# KiCad board keyboard (1).kicad_pcb (continued)
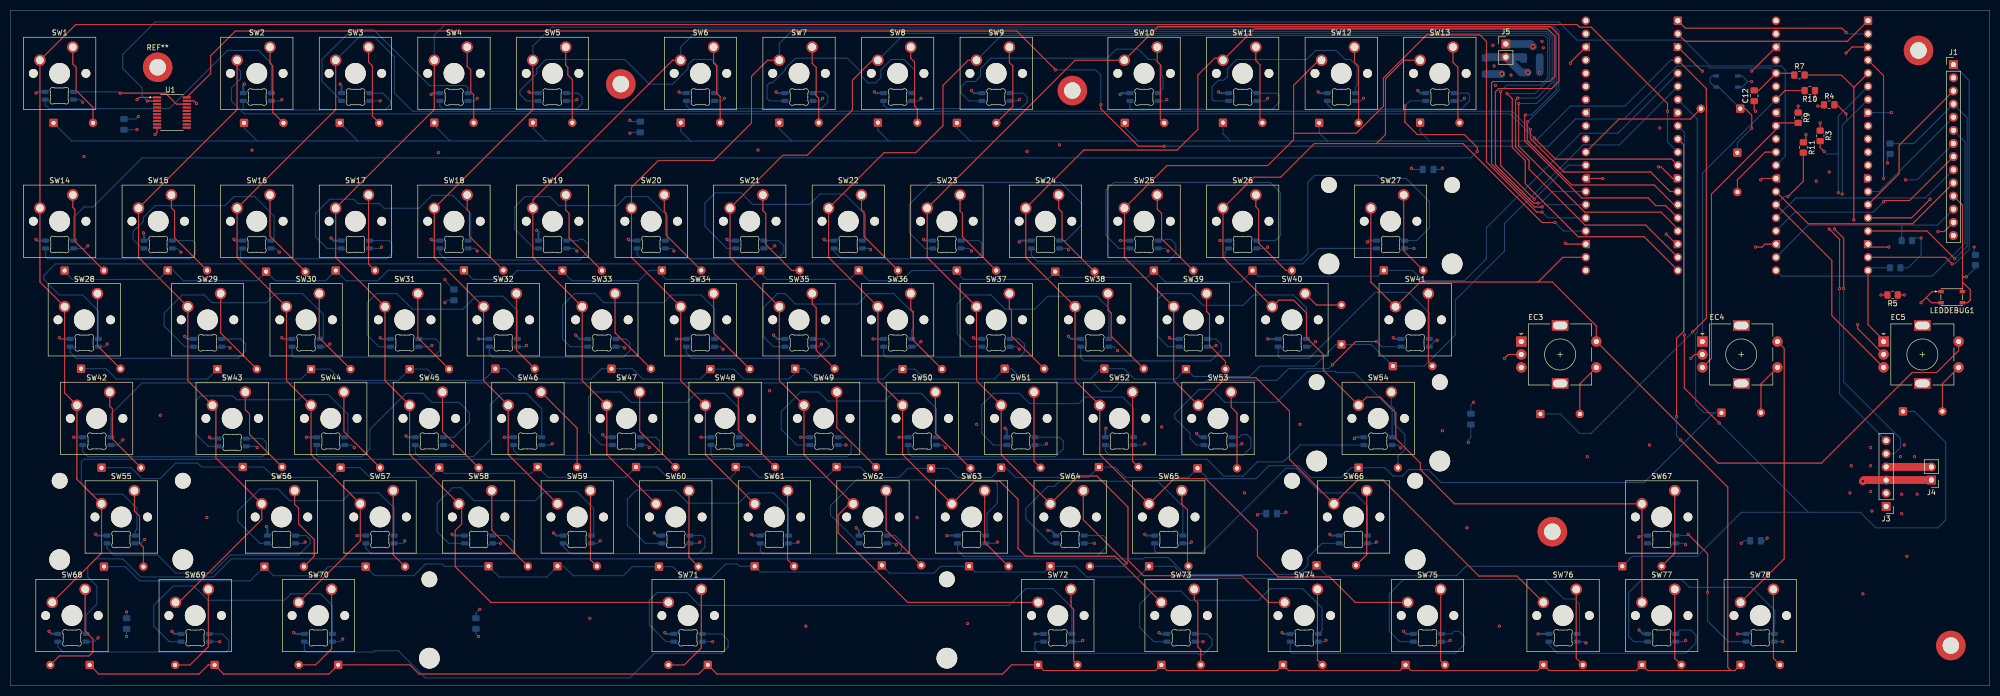
[diagram p0: board, top side]
## Routing (per net, layer and track width the routed paths; a pad name or vN(x,y) marks a point on that pad's centre or on a via; arc(x,y) is an arc through that point) (continued)
MISO: length 62.4
  Bottom w0.2: J1.6 377.71,105.06 377.71,85.5 371.35,79.14 342.28,79.14 A2.21
MOSI: length 38.1
  Bottom w0.2: A2.25 345.03,94.25 370.02,94.25 J1.9
ROW0: length 470.7
  Top w0.2: v1(325.09,68.38) 327.71,71 327.71,111 327.75,111.04 327.75,111.96 327.71,112 327.71,115.38 A1.4
  Bottom w0.2: 84.97,105.25 81.92,108.3 D4.1 ; 84.97,105.25 103.47,105.25 ; 84.97,105.25 67.16,105.25 ; D158.1 299.46,52.5 303.21,48.75 305.46,48.75 v1(325.09,68.38) ; D11.1 234.32,106.65 235.72,105.25 ; D6.1 129.54,107.17 131.47,105.25 ; A1.4 320.84,120.88 311.96,112 301.46,112 294.71,105.25 274.21,105.25 ; D9.1 182.91,107.81 185.47,105.25 ; D13.1 272.41,107.05 274.21,105.25 ; D10.1 215.34,107.87 217.97,105.25 ; 235.72,105.25 254.47,105.25 ; 235.72,105.25 217.97,105.25 ; 254.47,105.25 274.21,105.25 ; 254.47,105.25 252.91,106.81 D12.1 ; D3.1 67.16,105.25 ; 67.16,105.25 47.72,105.25 ; 103.47,105.25 100.97,107.75 D5.1 ; 103.47,105.25 131.47,105.25 ; 217.97,105.25 185.47,105.25 ; D2.1 45.16,107.81 47.72,105.25 ; 185.47,105.25 169.72,105.25 ; D8.1 167.64,107.33 169.72,105.25 ; 131.47,105.25 150.97,105.25 ; 150.97,105.25 169.72,105.25 ; 150.97,105.25 148.59,107.62 D7.1 ; 47.72,105.25 11.85,105.25 D1.1
ROW1: length 352.9
  Bottom w0.2: D14.1 10.48,79.99 11.96,78.5 28.65,78.5 D15.1 31.46,80.25 33.47,78.25 47.66,78.25 D16.1 49.47,80 51.22,78.25 60.9,78.25 D17.1 64.84,78.25 70.97,78.25 72.97,80.25 D18.1 89.41,78.5 96.22,78.5 97.94,80.22 D19.1 106.68,80.03 108.47,78.25 121.47,78.25 123.47,80.25 D20.1 125.91,79.31 126.72,78.5 143.16,78.5 D21.1 144.91,79.81 146.22,78.5 162.16,78.5 D22.1 165.91,78.25 172.22,78.25 174.19,80.22 D23.1 182.88,79.83 184.22,78.5 200.41,78.5 D24.1 203,78.9 219.66,78.9 D25.1 223.2,78 237.81,78 D26.1 241.13,79.12 264.27,79.12 D75.1 270.96,80.25 272.96,78.25 280.96,78.25 285.21,82.5 285.21,88.5 303.46,106.75 310.62,106.75 A1.5
ROW2: length 361.6
  Bottom w0.2: D27.1 18.46,61.25 20.46,59.25 38.09,59.25 D28.1 41.92,59.25 56.18,59.25 D29.1 61.8,61.17 63.97,59 74.98,59 D30.1 80.55,61.17 82.72,59 91.47,59 D31.1 95.72,61.25 97.72,59.25 112.22,59.25 114.22,61.25 D32.1 120.22,61.25 122.22,59.25 133.34,59.25 D33.1 139.8,61.17 141.72,59.25 150.47,59.25 151.66,60.44 D34.1 153.47,61.25 155.47,59.25 168.72,59.25 170.63,61.17 D35.1 174.8,61.17 176.72,59.25 190.16,59.25 D36.1 193.47,61.25 195.47,59.25 208.72,59.25 210.72,61.25 D37.1 215.22,61.25 217.22,59.25 225.25,59.25 D38.1 228.59,59.75 239.47,59.75 241.47,61.75 251.97,61.75 256.15,65.94 D39.1 262.96,65.94 D74.1 273.21,61.75 279.21,67.75 279.21,74.5 288.71,84 288.71,89.28 303.94,104.5 310.91,104.5 A1.6
ROW3: length 407.8
  Bottom w0.2: A1.7 325.96,109.51 325.96,68.25 325.66,67.95 325.66,54.3 327.21,52.75 329.21,52.75 ; D40.1 23.35,42.12 25.46,40 28.96,40 31.96,43 36.22,43 36.97,42.25 D41.1 48.97,42.25 50.97,40.25 61.95,40.25 D42.1 67.59,42.12 69.47,40.25 81,40.25 D43.1 83.97,41.02 100.67,41.02 D44.1 103.91,40.25 118.91,40.25 D45.1 124.97,42.25 127.22,40 138.97,40 140.16,41.19 D46.1 142.72,42.25 144.72,40.25 157.66,40.25 D47.1 164.22,42.25 166.22,40.25 171.72,40.25 173.47,42 D48.1 181.22,42 182.97,40.25 189.58,40.25 D49.1 192.34,42.12 194.22,40.25 208.34,40.25 D50.1 213.47,42.25 215.47,40.25 227.66,40.25 D51.1 231.41,40 240.72,40 243.22,42.5 248.97,42.5 251.22,40.25 257.21,40.25 259.08,42.12 D52.1 265.59,42.12 267.21,40.5 268.96,40.5 270.21,41.75 273.96,41.75 276.46,39.25 315.71,39.25 329.21,52.75 ; 329.21,52.75 D159.1
ROW4: length 492.3
  Top w0.2: v1(323.46,67.75) 323.46,57.5 v1(330.21,50.75)
  Bottom w0.2: 347.46,33.5 357.46,33.5 360.46,30.5 372.46,30.5 373.96,32 373.96,47 367.96,53 D160.1 ; 347.46,33.5 v1(330.21,50.75) ; 347.46,33.5 334.46,33.5 325.96,25 313.4,25 D65.1 281.28,23.07 279.46,21.25 254.41,21.25 D64.1 249.91,20.75 227.22,20.75 224.9,23.07 D63.1 217.96,21 207.97,21 205.9,23.07 D62.1 199.88,21.97 186.36,21.97 D61.1 179.78,23.07 178.47,21.75 169.91,21.75 D60.1 167.12,21.97 144.93,21.97 D59.1 140.9,23.07 140.47,23.5 138.22,23.5 135.47,20.75 130.22,20.75 127.97,23 D58.1 120.22,23 118.47,21.25 108.72,21.25 106.9,23.07 D57.1 103.72,21.06 103.72,21 94.46,21 D56.1 83.9,23.07 83.47,23.5 80.22,23.5 77.97,21.25 70.41,21.25 D55.1 61.47,23 59.72,21.25 50.84,21.25 D54.1 46.34,20.25 24.96,20.25 22.21,23 D53.1 ; A1.9 323.46,106.93 v1(323.46,67.75)
ROW5: length 438.4
  Top w0.2: D79.1 333.23,2.92 332.46,2.92 ; 332.46,2.92 331.86,3.53 331.86,38.36 v1(322.71,47.5) ; 332.46,2.92 316.38,2.92 D78.1 314.18,2.92 297.33,2.92 D77.1 295.11,2.9 270.69,2.9 D73.1 268.49,2.9 247.01,2.9 D72.1 244.83,2.92 223.51,2.92 D71.1 221.31,2.92 199.7,2.92 D70.1 193.49,4.02 191.72,2.25 136.55,2.25 D69.1 133.01,2.25 78.97,2.25 77.2,4.02 D68.1 61.57,2.25 41.22,2.25 D67.1 38.22,4 36.47,2.25 17.08,2.25 D66.1 ; A1.10 323.32,104.53 323.32,68.45 321.96,67.1 v1(321.96,52)
  Bottom w0.2: v1(322.71,47.5) 321.96,48.25 v1(321.96,52)
RUN: length 21.3
  Top w0.2: D157.1 335.21,111.5 336.49,110.22 v1(336.49,107.72)
  Bottom w0.2: D157.1 330.1,115.67 DEBUG1.2 329.34,115.67 328.46,116.55 328.46,117.5 328.79,117.83 DEBUG1.2 ; v1(336.49,107.72) 333.71,104.94 D161.1
SCL: length 82.9
  Top w0.2: v1(352.46,88.25) 354.27,86.45 v1(354.27,76.75) ; R4.2 352.96,112.25 v1(354.71,110.5)
  In2.Cu w0.2: v1(352.46,88.25) 353.97,89.76 v1(353.97,95)
  Bottom w0.2: v1(354.71,110.5) 354.83,110.38 354.83,109.13 ; A2.7 354.83,109.13 ; 354.83,109.13 353.97,108.27 v1(353.97,95) ; J3.5 364.02,44.81 365.21,46 365.21,47.75 354.27,58.7 v1(354.27,76.75)
SDA: length 81.4
  Top w0.2: v1(351.46,88.25) 353.46,86.25 v1(353.46,76.75) ; v1(350.46,103.25) 349.71,104 R3.2
  In2.Cu w0.2: v1(353.21,95.25) 353.21,90 v1(351.46,88.25)
  Bottom w0.2: 353.21,102.75 353.21,110.05 A2.6 ; 353.21,102.75 350.96,102.75 v1(350.46,103.25) ; 353.21,102.75 v1(353.21,95.25) ; J3.6 353.46,56.35 v1(353.46,76.75)
SLAVEPWR: length 464.9
  Top w0.2: v1(349.21,112) 350.21,112 R4.1 ; v1(345.46,112) R9.1 ; v1(365.96,75.5) R5.1 ; R7.1 344.38,118.34 A2.36 337.88,115.04 C12.2 ; v1(210.72,112.25) 210.72,111.5 217.96,104.25 v1(222.97,104.25) ; v1(201.97,119) 194.47,126.5 43.47,126.5 38.72,121.75 38.72,118.31 U1.20 ; v1(348.71,113.5) R10.1 ; v1(346.96,106.5) 346.96,105.5 R11.1 ; v1(349.71,108.75) R3.1
  In2.Cu w0.2: 369.96,87.25 v1(369.21,86.5) ; 369.96,87.25 368.46,85.75 368.46,76.25 367.71,75.5 v1(365.96,75.5) ; 369.96,87.25 371.71,89 373.46,89 ; 362.08,100.37 v1(362.71,101) ; 362.08,100.37 360.45,102 357.52,102 349.37,110.16 ; 362.08,100.37 364.71,97.75 ; 373.46,89 J1.14 377.7,84.75 v1(379.46,84.75) ; 373.46,89 364.71,97.75 ; 364.71,97.75 366.21,97.75 v1(366.21,97.75) ; 349.37,110.16 348.37,111.16 ; 349.37,110.16 349.71,109.81 v1(349.71,108.75) ; v1(345.46,112) 345.46,114.06 345.37,114.16 ; A2.36 345.37,114.16 ; 345.37,114.16 347.37,112.16 ; 347.37,112.16 v1(348.71,113.5) ; 347.37,112.16 347.87,111.66 ; 347.87,111.66 348.37,111.16 ; 347.87,111.66 347.87,107.41 v1(346.96,106.5) ; 348.37,111.16 v1(349.21,112)
  Bottom w0.2: R6.1 362.71,102.25 v1(362.71,101) ; R12.1 366.71,80.75 369.21,83.25 v1(369.21,86.5) 367.96,86.5 R2.2 ; v1(379.46,84.75) 379.46,83.5 R1.1 ; v1(366.21,97.75) 368.44,97.75 J1.7 ; v1(210.72,112.25) 210.72,118 209.72,119 v1(201.97,119) ; v1(222.97,104.25) 297.21,104.25 302.46,109.5 311.82,109.5 322.07,119.75 327.9,119.75 328.3,119.35 340.17,119.35 A2.36
T_CLK: length 22.5
  Bottom w0.2: J1.5 361.09,95.48 A2.14
T_CS: length 66.4
  Top w0.2: A2.17 370.35,87.86 v1(375.71,82.5)
  Bottom w0.2: R6.2 367.82,104.75 J1.4 378.11,109.74 378.11,84.9 v1(375.71,82.5)
T_INT: length 58.2
  Top w0.2: v1(375.21,81.5) 373.94,82.78 A2.19
  Bottom w0.2: J1.1 378.51,116.96 378.51,84.3 375.71,81.5 v1(375.21,81.5)
T_MISO: length 38.8
  Top w0.2: A2.16 367.36,90.4 v1(370.96,94)
  In2.Cu w0.2: J1.2 370.96,112.97 v1(370.96,94)
T_MOSI: length 28.8
  Top w0.2: A2.15 364.96,98.94 364.96,104.43 J1.3
UART0_RX: length 39
  Top w0.2: A1.2 323.65,124.53 354.99,124.53 A2.1
UART0_TX: length 37.8
  Top w0.2: A1.1 323.65,127.06 353.9,127.06 v1(354.71,126.25)
  Bottom w0.2: v1(354.71,126.25) 355,125.96 A2.2
V+: length 8.8
  Top w0.2: 371.21,42.27 J4.2
  Top w1.5: J3.4 371.21,42.27
Net-(A1-RUN): length 25.7
  Top w0.2: D157.2 324.71,109.56 324.71,109.5 310.83,109.5 A1.30
Net-(A2-RUN): length 12.1
  Top w0.2: D161.2 333.71,97.75 339.06,103.1 A2.30
Net-(D1-A): length 16.3
  Top w0.2: D1.2 15.96,111.75 12.71,115 12.71,119.5 12.07,120.15 SW1.1
Net-(D2-A): length 15.7
  Top w0.2: SW2.1 50.17,120.3 50.72,119.75 50.72,110.81 D2.2
Net-(D3-A): length 15.5
  Top w0.2: D3.2 69.97,110.06 69.97,119.75 69.22,120.5 SW3.1
Net-(D4-A): length 15.1
  Top w0.2: SW4.1 88.27,119.7 88.97,119 88.97,114.75 89.53,114.18 D4.2
Net-(D5-A): length 15.1
  Top w0.2: D5.2 108.59,117.13 107.72,118 107.72,119.5 107.31,119.9 SW5.1
Net-(D6-A): length 15.1
  Top w0.2: D6.2 137.16,113.81 136.47,114.5 136.47,119.75 135.89,120.33 SW6.1
Net-(D7-A): length 15.1
  Top w0.2: SW7.1 154.94,120.28 155.72,119.5 155.72,114 156.21,113.5 D7.2
Net-(D8-A): length 15.1
  Top w0.2: D8.2 175.26,111.45 174.72,112 174.72,120.5 173.99,121.22 SW8.1
Net-(D9-A): length 16.3
  Top w0.2: SW9.1 193.04,120.42 193.72,119.75 193.72,111.94 D9.2
Net-(D10-A): length 15.2
  Top w0.2: D10.2 222.22,109.5 222.22,120 221.62,120.6 SW10.1
Net-(D11-A): length 15.1
  Top w0.2: SW11.1 240.66,120.8 241.47,120 241.47,109.27 D11.2
Net-(D12-A): length 15
  Top w0.2: SW12.1 259.71,120.5 260.52,119.69 D12.2
Net-(D13-A): length 15.1
  Top w0.2: SW13.1 278.76,120.45 279.71,119.5 279.71,109.12 D13.2
Net-(D14-A): length 17.1
  Top w0.2: SW14.1 12.07,92.4 12.46,92 12.46,85.85 D14.2
Net-(D15-A): length 17.4
  Top w0.2: SW15.1 31.11,92.35 31.71,91.75 31.71,86.56 D15.2
Net-(D16-A): length 17.7
  Top w0.2: SW16.1 50.17,86.86 D16.2
Net-(D17-A): length 15.1
  Top w0.2: D17.2 69.22,81.49 SW17.1
Net-(D18-A): length 17.5
  Top w0.2: D18.2 88.72,86.81 88.72,91.5 88.27,91.95 SW18.1
Net-(D19-A): length 17.5
  Top w0.2: SW19.1 107.31,91.9 107.97,91.25 107.97,86.56 D19.2
Net-(D20-A): length 17.5
  Top w0.2: SW20.1 126.37,91.6 126.72,91.25 126.72,87.06 D20.2
Net-(D21-A): length 18.4
  Top w0.2: D21.2 150.97,80.25 145.97,85.25 145.97,91.25 145.41,91.8 SW21.1
Net-(D22-A): length 17.5
  Top w0.2: SW22.1 164.47,92 164.97,91.5 164.97,86.81 D22.2
Net-(D23-A): length 17.5
  Top w0.2: SW23.1 183.52,91.7 183.97,91.25 183.97,86.75 D23.2
Net-(D24-A): length 17.7
  Top w0.2: D24.2 203.22,86.31 203.22,91.5 202.56,92.15 SW24.1
Net-(D25-A): length 17.5
  Top w0.2: D25.2 222.47,86.36 222.47,91.25 221.62,92.1 SW25.1
Net-(D26-A): length 18.2
  Top w0.2: SW26.1 240.66,92.55 241.22,92 241.22,85.5 246.49,80.22 D26.2
Net-(D27-A): length 16.4
  Top w0.2: D27.2 16.83,65.7 SW28.1
Net-(D28-A): length 17.5
  Top w0.2: D28.2 40.64,68.16 SW29.1
Net-(D29-A): length 17.1
  Top w0.2: SW30.1 59.69,67.2 D29.2
Net-(D30-A): length 17.1
  Top w0.2: D30.2 78.74,67.2 SW31.1
Net-(D31-A): length 16
  Top w0.2: SW32.1 97.79,64.8 D31.2
Net-(D32-A): length 17.4
  Top w0.2: SW33.1 116.84,68.19 D32.2
Net-(D33-A): length 17.5
  Top w0.2: D33.2 135.89,68.16 SW34.1
Net-(D34-A): length 16.3
  Top w0.2: D34.2 155.72,64.81 155.72,73 154.94,73.78 SW35.1
Net-(D35-A): length 17.1
  Top w0.2: D35.2 174.47,66.73 174.47,72.25 173.99,72.72 SW36.1
Net-(D36-A): length 17.3
  Top w0.2: D36.2 193.47,67.56 193.47,72.5 193.04,72.92 SW37.1
Net-(D37-A): length 17.4
  Top w0.2: SW38.1 212.09,72.62 212.72,72 212.72,67.56 D37.2
Net-(D38-A): length 16.1
  Top w0.2: SW39.1 231.14,72.33 231.72,71.75 231.72,65.75 234.79,62.67 D38.2
Net-(D39-A): length 7.9
  Top w0.2: SW40.1 252.41,73.56 D39.2
Net-(D40-A): length 17.1
  Top w0.2: SW42.1 19.21,54.01 19.71,53.5 19.71,47.65 D40.2
Net-(D41-A): length 17.4
  Top w0.2: SW43.1 45.4,53.31 46.22,52.5 46.22,48.56 D41.2
Net-(D42-A): length 17.5
  Top w0.2: D42.2 64.45,49.11 SW44.1
Net-(D43-A): length 17.5
  Top w0.2: SW45.1 83.5,49.11 D43.2
Net-(D44-A): length 17.4
  Top w0.2: D44.2 109.53,49.75 SW46.1
Net-(D45-A): length 17.3
  Top w0.2: D45.2 121.6,49.17 SW47.1
Net-(D46-A): length 17.4
  Top w0.2: SW48.1 140.65,49.37 D46.2
Net-(D47-A): length 17.6
  Top w0.2: D47.2 159.7,49.82 SW49.1
Net-(D48-A): length 17.5
  Top w0.2: D48.2 178.75,48.77 SW50.1
Net-(D49-A): length 15.1
  Top w0.2: SW51.1 197.8,43.39 D49.2
Net-(D50-A): length 14.9
  Top w0.2: SW52.1 216.85,43.36 D50.2
Net-(D51-A): length 15.2
  Top w0.2: D51.2 237.03,52.69 235.9,53.81 SW53.1
Net-(D52-A): length 16.2
  Bottom w0.2: D52.2 268.13,44.34 269.46,45.67 269.46,48.5 267.46,50.5 267.46,53.5 266.86,54.11 SW54.1
Net-(D53-A): length 15.4
  Top w0.2: D53.2 25.71,26.75 24.96,27.5 24.96,32.75 23.96,33.75 23.96,34.74 23.97,34.74 SW55.1
Net-(D54-A): length 17.1
  Top w0.2: D54.2 58.72,25 58.72,28.25 55.72,31.25 55.72,34.25 54.93,35.04 SW56.1
Net-(D55-A): length 15.6
  Top w0.2: D55.2 73.98,25.3 SW57.1
Net-(D56-A): length 17.5
  Top w0.2: D56.2 93.03,30.06 SW58.1
Net-(D57-A): length 15.1
  Top w0.2: SW59.1 112.08,24.34 D57.2
Net-(D58-A): length 15.4
  Top w0.2: SW60.1 131.13,24.84 D58.2
Net-(D59-A): length 15.1
  Top w0.2: SW61.1 150.18,24.34 D59.2
Net-(D60-A): length 17.2
  Top w0.2: D60.2 169.23,30.05 SW62.1
Net-(D61-A): length 17
  Top w0.2: D61.2 188.28,27.67 SW63.1
  Bottom w0.2: 193.22,23.4 D61.2
Net-(D62-A): length 24.8
  Top w0.2: v1(215.67,23.7) 207.33,32.04 SW64.1
  Bottom w0.2: D62.2 215.03,23.07 v1(215.67,23.7)
Net-(D63-A): length 15.1
  Top w0.2: D63.2 227.47,23.25 227.47,34 226.38,35.09 SW65.1
Net-(D64-A): length 15.3
  Top w0.2: D64.2 262.1,25.32 SW66.1
Net-(D65-A): length 15.7
  Top w0.2: D65.2 321.63,25.61 SW67.1
Net-(D66-A): length 22
  Top w0.2: D66.2 9.46,5.75 15.21,5.75 15.96,6.5 15.96,9 14.45,10.52 SW68.1
Net-(D67-A): length 19
  Top w0.2: SW69.1 38.26,7.54 34.72,4 D67.2
Net-(D68-A): length 19.1
  Top w0.2: SW70.1 62.07,7.11 58.98,4.02 D68.2
Net-(D69-A): length 19.2
  Top w0.2: 126.97,4 130.22,4 133.51,7.29 SW71.1
Net-(D70-A): length 15.1
  Top w0.2: D70.2 205.47,4.77 205.47,14.75 204.97,15.25 204.97,16.25 204.95,16.27 SW72.1
Net-(D71-A): length 15.1
  Top w0.2: D71.2 230.03,6.94 229.47,7.5 229.47,16 228.76,16.71 SW73.1
Net-(D72-A): length 15
  Top w0.2: D72.2 252.57,4.95 SW74.1
Net-(D73-A): length 15
  Top w0.2: SW75.1 276.38,4.83 D73.2
Net-(D74-A): length 14.3
  Top w0.2: SW41.1 274,62.52 D74.2
Net-(D75-A): length 16.1
  Top w0.2: D75.2 269.24,84.03 SW27.1
Net-(D76-DOUT): length 56.5
  Bottom w0.2: D76.4 6.71,113.22 6.71,112.25 7.46,111.5 30.71,111.5 41.97,122.75 47.97,122.75 50.44,120.28 D80.2
Net-(D77-A): length 15.1
  Top w0.2: SW76.1 302.58,5.29 D77.2
Net-(D78-A): length 15.1
  Top w0.2: SW77.1 321.63,5.29 D78.2
Net-(D79-A): length 15.1
  Top w0.2: D79.2 340.68,5.29 SW78.1
Net-(D80-DOUT): length 35.9
  Bottom w0.2: D80.4 44.99,111.47 45.22,111.25 72.47,111.25 73.47,112.25 73.47,113 71.97,114.5 D81.2
Net-(D81-DOUT): length 45.8
  Bottom w0.2: D82.2 88.44,115.53 88,115.97 81,115.97 70.22,126.75 65.97,126.75 60.22,121 60.22,116.78 D81.4
Net-(D82-DOUT): length 33.7
  Bottom w0.2: D82.4 82.99,111.97 83.47,111.5 109.47,111.5 110.47,112.5 110.47,113.75 109.72,114.5 D83.2
Net-(D83-DOUT): length 56.5
  Bottom w0.2: D84.2 136.72,115.14 136.72,119.75 135.47,121 131.97,121 130.97,120 130.97,119.25 127.97,116.25 123.47,116.25 118.72,121 103.47,121 101.72,119.25 101.72,118.25 98.47,115 98.47,114.25 99.72,113 D83.4
Net-(D84-DOUT): length 33.5
  Bottom w0.2: D85.2 155.38,114.75 157.22,114.75 157.97,114 157.97,112.75 156.72,111.5 131.22,111.5 130.62,112.09 D84.4
Net-(D85-DOUT): length 47.7
  Bottom w0.2: D85.4 146.72,113 146.22,113.5 146.22,116 146.72,116.5 147.26,116.5 149.72,118.96 149.72,119.25 151.72,121.25 161.74,121.25 164.47,118.53 164.47,117.75 165.72,116.5 167.22,116.5 168.22,117.5 168.22,119 170.22,121 172.72,121 174.72,119 174.72,115.03 D86.2
Net-(D86-DOUT): length 33.9
  Bottom w0.2: D86.4 168.74,112.22 169.47,111.5 195.22,111.5 196.47,112.75 196.47,113.75 195.72,114.5 D87.2
Net-(D87-DOUT): length 55.6
  Bottom w0.2: D88.2 222.72,115.41 222.72,117.75 222.47,118 222.47,119.75 221.22,121 219.97,121 217.97,123 213.72,123 211.97,121.25 189.47,121.25 187.47,119.25 187.47,117.75 186.47,116.75 184.72,116.75 183.72,115.75 183.72,114.5 185.22,113 D87.4
Net-(D88-DOUT): length 36.7
  Bottom w0.2: 240.85,114.5 244.72,114.5 245.22,114 245.22,112.75 243.86,111.4 216.56,111.4 216.35,111.62 216.35,113
Net-(D89-DOUT): length 44.2
  Bottom w0.2: D90.2 259.94,115.72 260.21,116 260.21,119.75 258.96,121 257.96,121 256.21,122.75 252.22,122.75 250.47,121 236.97,121 235.22,119.25 235.22,117.75 234.47,117 233.47,117 232.22,115.75 232.22,113.25 232.47,113 D89.4
Net-(D90-DOUT): length 33.5
  Bottom w0.2: D91.2 281.71,114.5 281.96,114.25 281.96,113 280.36,111.4 255.47,111.4 254.49,112.38 D90.4
Net-(D92-DOUT): length 37.7
  Bottom w0.2: D93.2 35.22,86 35.72,85.5 35.72,83.5 34.72,82.5 7.21,82.5 6.8,82.92 D92.4
Net-(D93-DOUT): length 41.4
  Bottom w0.2: D94.2 50.97,86.61 50.97,90.75 47.22,94.5 43.22,94.5 41.47,92.75 27.96,92.75 25.71,90.5 25.71,89.75 23.71,87.75 23.71,86.25 25.46,84.5 D93.4
Net-(D94-DOUT): length 38.4
  Bottom w0.2: D94.4 44.47,84.06 44.47,82.5 72.72,82.5 73.72,83.5 73.72,85.5 73.22,86 69.4,86
Net-(D95-DOUT): length 50.2
  Bottom w0.2: D96.2 88.97,86.52 88.97,91.25 85.47,94.75 81.47,94.75 78.97,92.25 72.22,92.25 71.31,93.15 67.22,93.15 66.37,94 61.72,94 58.97,91.25 58.97,86.75 61.22,84.5 D95.4
Net-(D96-DOUT): length 37
  Bottom w0.2: D96.4 83,83.47 84.22,82.25 109.97,82.25 111.72,84 111.72,85.25 110.72,86.25 109.97,86.25 109.72,86 D97.2
Net-(D97-DOUT): length 48.6
  Bottom w0.2: D97.4 101.22,84.5 97.47,88.25 97.47,92.5 99.47,94.5 104.22,94.5 105.97,92.75 117.22,92.75 118.97,94.5 123.22,94.5 126.97,90.75 126.97,86.42 D98.2
Net-(D98-DOUT): length 35.9
  Bottom w0.2: D99.2 148.47,86 149.47,85 149.47,83.75 148.22,82.5 121.97,82.5 121.1,83.36 D98.4
Net-(D100-DIN): length 52.7
  Bottom w0.2: D100.2 165.22,86.56 165.22,91 161.22,95 156.47,95 154.47,93 143.47,93 141.22,95.25 136.22,95.25 134.22,93.25 134.22,88.75 138.47,84.5 D99.4
Net-(D100-DOUT): length 36.3
  Bottom w0.2: D101.2 187.22,86 187.72,85.5 187.72,83.5 186.72,82.5 160.63,82.5 159.2,83.93 D100.4
Net-(D101-DOUT): length 57.6
  Bottom w0.2: D102.2 203.97,86 206.97,89 206.97,93.25 202.97,97.25 177.97,97.25 173.72,93 173.72,87.5 176.72,84.5 D101.4
Net-(D102-DOUT): length 36
  Bottom w0.2: D103.2 222.97,86 223.22,86.25 224.22,86.25 225.22,85.25 225.22,83.5 223.72,82 198.47,82 197.3,83.17 D102.4
Net-(D103-DOUT): length 62.9
  Bottom w0.2: 240.85,86 244.47,86 245.47,87 245.47,95.25 243.47,97.25 213.22,97.25 211.72,95.75 211.72,87 214.22,84.5 216.35,84.5
Net-(D104-DOUT): length 69.7
  Bottom w0.2: D105.2 271.71,86 274.21,88.5 274.21,93.5 269.71,98 264.71,98 264.09,98.62 252.09,98.62 250.72,97.25 250.72,83.5 249.47,82.25 234.97,82.25 234.72,82.5 234.72,83.81 D104.4
Net-(D106-DOUT): length 42.4
  Bottom w0.2: D106.4 11.56,64.4 12.71,63.25 43.97,63.25 45.47,64.75 45.47,66 44.47,67 D107.2
Net-(D107-DOUT): length 50
  Bottom w0.2: D108.2 60.47,67.59 60.47,71.75 56.47,75.75 51.22,75.75 49.47,74 38.97,74 37.47,75.5 33.22,75.5 29.71,72 29.71,69.5 33.72,65.5 D107.4
Net-(D108-DOUT): length 36.7
  Bottom w0.2: D108.4 54.42,63.79 54.72,63.5 81.72,63.5 82.97,64.75 82.97,66.25 82.22,67 D109.2
Net-(D109-DOUT): length 50.3
  Bottom w0.2: D109.4 71.22,65.5 68.97,67.75 68.97,74 70.72,75.75 74.72,75.75 77.72,72.75 87.47,72.75 89.97,75.25 95.22,75.25 97.98,72.49 D110.2
Net-(D110-DOUT): length 33.8
  Bottom w0.2: D111.2 118.97,67 119.72,66.25 119.72,64.75 118.47,63.5 93.22,63.5 92.53,64.19 D110.4
Net-(D111-DOUT): length 50.6
  Bottom w0.2: D112.2 136.08,72.89 133.47,75.5 127.72,75.5 126.22,74 114.72,74 112.97,75.75 108.97,75.75 106.72,73.5 106.72,67 108.22,65.5 D111.4
Net-(D112-DOUT): length 34.1
  Bottom w0.2: D113.2 157.22,67 158.22,66 158.22,65.5 155.97,63.25 131.72,63.25 130.62,64.34 D112.4
Net-(D113-DOUT): length 49
  Bottom w0.2: D114.2 174.19,68.72 174.47,69 174.47,72 170.72,75.75 165.72,75.75 163.72,73.75 151.72,73.75 149.72,75.75 148.22,75.75 145.47,73 145.47,67.5 147.47,65.5 D113.4
Net-(D114-DOUT): length 34.1
  Bottom w0.2: D115.2 194.97,67 195.97,66 195.97,64.5 194.97,63.5 169.22,63.5 168.74,63.97 D114.4
Net-(D115-DOUT): length 50.7
  Bottom w0.2: D116.2 212.28,72.94 209.97,75.25 200.47,75.25 197.97,72.75 192.22,72.75 189.47,75.5 184.72,75.5 182.97,73.75 182.97,68 185.47,65.5 D115.4
Net-(D116-DOUT): length 34.6
  Bottom w0.2: D117.2 232.97,67 233.97,66 233.97,64.75 231.97,62.75 207.47,62.75 206.83,63.39 D116.4
Net-(D117-DOUT): length 50.2
  Bottom w0.2: D117.4 223.72,65.5 221.72,67.5 221.72,74.75 222.72,75.75 228.22,75.75 230.47,73.5 238.22,73.5 240.22,75.5 247.97,75.5 250.44,73.03 D118.2
Net-(D118-DOUT): length 43.1
  Bottom w0.2: D118.4 244.99,63.72 245.47,63.25 250.97,63.25 263.71,76 270.21,76 274.19,72.03 D119.2
Net-(D120-DOUT): length 43.7
  Bottom w0.2: D120.4 13.99,45.22 14.96,44.25 48.72,44.25 49.47,45 49.47,47 48.72,47.75 D121.2
Net-(D121-DOUT): length 48.4
  Bottom w0.2: D121.4 38.22,46.25 35.97,48.5 35.97,55.25 36.72,56 42.97,56 43.72,55.25 55.72,55.25 56.72,56.25 61.47,56.25 65.22,52.5 65.22,48.58 D122.2
Net-(D122-DOUT): length 48.5
  Bottom w0.2: D122.4 59.19,44.53 59.47,44.25 67.97,44.25 69.47,45.75 69.47,49.5 76.47,56.5 79.72,56.5 81.47,54.75 86.72,54.75 88.72,52.75 88.72,51 85.72,48 D123.2
Net-(D123-DOUT): length 42.1
  Bottom w0.2: D124.2 102.69,53.53 99.72,56.5 94.97,56.5 92.72,54.25 92.72,47.5 89.47,44.25 78.97,44.25 78.24,44.97 D123.4
Net-(D124-DOUT): length 35.7
  Bottom w0.2: D125.2 124.72,48 125.47,47.25 125.47,45.75 124.22,44.5 98.22,44.5 97.24,45.47 D124.4
Net-(D125-DOUT): length 50.3
  Bottom w0.2: D126.2 140.84,53.63 137.97,56.5 132.47,56.5 130.72,54.75 119.97,54.75 117.97,56.75 112.72,56.75 111.72,55.75 111.72,49 114.22,46.5 D125.4
Net-(D126-DOUT): length 34.4
  Bottom w0.2: D126.4 135.39,44.58 135.72,44.25 161.72,44.25 162.47,45 162.47,47 161.47,48 D127.2
Net-(D127-DOUT): length 49.9
  Bottom w0.2: D128.2 178.94,53.53 175.97,56.5 170.47,56.5 168.97,55 157.97,55 156.22,56.75 152.72,56.75 148.97,53 148.97,49.5 151.97,46.5 D127.4
Net-(D128-DOUT): length 39.7
  Bottom w0.2: D129.2 202.72,48 203.47,47.25 203.47,45.75 201.97,44.25 174.22,44.25 173.49,44.97 D128.4
Net-(D129-DOUT): length 49.4
  Bottom w0.2: D129.4 189.97,46.5 187.72,48.75 187.72,54.25 189.97,56.5 194.97,56.5 196.97,54.5 206.47,54.5 207.72,55.75 214.97,55.75 217.04,53.68 D130.2
Net-(D130-DOUT): length 36.1
  Bottom w0.2: D130.4 211.59,45.38 212.47,44.5 238.22,44.5 239.72,46 239.72,47.75 238.97,48.5 237.97,48.5 237.47,48 D131.2
Net-(D131-DOUT): length 65
  Bottom w0.2: D131.4 229.22,46.5 227.97,47.75 227.97,48.75 224.97,51.75 224.97,52.5 229.72,57.25 232.22,57.25 234.72,54.75 244.72,54.75 250.72,60.75 255.97,60.75 256.21,60.5 259.71,60.5 267,53.21 267,48
Net-(D133-DOUT): length 48.5
  Bottom w0.2: D134.2 57.22,29 57.97,28.25 57.97,27.5 55.72,25.25 42.47,25.25 38.97,21.75 31.96,21.75 28.46,25.25 19.96,25.25 18.68,26.54 D133.4
Net-(D134-DOUT): length 49.5
  Bottom w0.2: D135.2 74.16,34.3 71.22,37.25 65.72,37.25 64.22,35.75 53.97,35.75 51.72,38 48.22,38 43.97,33.75 43.97,31.75 48.22,27.5 D134.4
Net-(D135-DOUT): length 36.2
  Bottom w0.2: D135.4 68.71,26.5 69.72,25.5 96.47,25.5 97.22,26.25 97.22,27.75 95.97,29 D136.2
Net-(D136-DOUT): length 51.8
  Bottom w0.2: D137.2 112.72,29.45 112.72,34.25 109.47,37.5 103.22,37.5 101.47,35.75 89.62,35.75 87.12,38.25 85.47,38.25 82.47,35.25 82.47,29.75 84.72,27.5 D136.4
Net-(D137-DOUT): length 34
  Bottom w0.2: D138.2 133.72,29 134.22,28.5 134.22,26.75 132.97,25.5 108.22,25.5 106.81,26.9 D137.4
Net-(D138-DOUT): length 53.4
  Bottom w0.2: D138.4 122.72,27.5 119.22,31 119.22,36 120.97,37.75 128.47,37.75 130.97,35.25 140.72,35.25 142.72,37.25 147.47,37.25 150.36,34.35 D139.2
Net-(D139-DOUT): length 34.1
  Bottom w0.2: D139.4 144.91,26.05 145.47,25.5 171.47,25.5 172.22,26.25 172.22,27.75 170.97,29 D140.2
Net-(D140-DOUT): length 55.1
  Bottom w0.2: D141.2 188.72,29.25 188.72,33.25 190.72,35.25 190.72,39 189.97,39.75 163.47,39.75 158.47,34.75 158.47,33.03 D140.4
Net-(D141-DOUT): length 37.4
  Bottom w0.2: D141.4 183.01,26.2 184.22,25 209.97,25 211.72,26.75 211.72,28.5 211.22,29 D142.2
Net-(D142-DOUT): length 50
  Bottom w0.2: D142.4 200.97,27.5 196.22,32.25 196.22,34.25 200.47,38.5 201.72,38.5 202.72,39.5 221.72,39.5 226.56,34.65 D143.2
Net-(D143-DOUT): length 58.1
  Bottom w0.2: D144.2 262.25,34.71 259.71,37.25 253.22,37.25 248.47,42 246.47,42 230.22,25.75 221.47,25.75 221.11,26.1 D143.4
Net-(D144-DOUT): length 264.8
  Bottom w0.2: D145.2 14.63,13.67 16.71,15.75 16.71,19.25 14.96,21 14.96,23 16.46,24.5 21.71,24.5 25.21,21 39.22,21 42.72,24.5 218.97,24.5 219.22,24.75 223.78,24.75 227.03,21.5 248.97,21.5 250.72,23.25 250.72,24.75 253.47,27.5 D144.4
Net-(D146-DOUT): length 54.7
  Bottom w0.2: D146.4 30.71,8.5 27.71,11.5 27.71,15.5 31.46,19.25 35.47,19.25 38.22,16.5 52.97,16.5 54.22,17.75 59.97,17.75 62.26,15.46 D147.2
Net-(D147-DOUT): length 95.2
  Bottom w0.2: D148.2 137.47,10 138.72,8.75 138.72,7.5 137.47,6.25 124.47,6.25 119.72,1.5 80.22,1.5 74.97,6.75 70.47,6.75 70.22,6.5 57.22,6.5 56.81,6.91 D147.4
Net-(D148-DOUT): length 102.1
  Bottom w0.2: D148.4 126.72,8.5 123.47,11.75 123.47,16.5 124.97,18 130.72,18 133.22,15.5 192.97,15.5 196.22,18.75 201.47,18.75 205.13,15.08 D149.2
Net-(D149-DOUT): length 43.4
  Bottom w0.2: D149.4 198.22,8.5 197.97,8.25 197.97,7 198.72,6.25 229.47,6.25 229.72,6 230.47,6 232.22,7.75 232.22,9 231.22,10 D150.2
Net-(D150-DOUT): length 55.7
  Bottom w0.2: D151.2 253.47,10.71 253.47,15 249.72,18.75 243.47,18.75 241.22,16.5 227.97,16.5 226.22,18.25 220.72,18.25 218.22,15.75 218.22,11.25 220.97,8.5 D150.4
Net-(D151-DOUT): length 42.9
  Bottom w0.2: D151.4 247.31,6.66 247.72,6.25 279.21,6.25 280.96,8 280.96,9.5 279.96,10.5 278.96,10.5 278.46,10 D152.2
Net-(D152-DOUT): length 58.5
  Bottom w0.2: D153.2 303.21,10.45 303.21,15.75 302.21,16.75 300.21,16.75 296.46,20.5 269.21,20.5 266.46,17.75 266.46,10.5 268.46,8.5 D152.4
Net-(D153-DOUT): length 36.6
  Bottom w0.2: D154.2 322.56,10.75 324.71,10.75 325.71,9.75 325.71,8.25 323.71,6.25 298.96,6.25 297.31,7.9 D153.4
Net-(D154-DOUT): length 48.9
  Bottom w0.2: D154.4 313.71,8.5 312.71,9.5 312.71,18 315.21,20.5 322.96,20.5 324.46,19 336.46,19 340.96,14.5 340.96,12 340.86,11.9 D155.2
Net-(D155-DOUT): length 29.9
  Top w0.2: v1(324.21,29.25) 327.96,25.5 v1(327.96,18)
  Bottom w0.2: v1(327.96,18) 327.96,12.5 331.96,8.5 D155.4 ; D156.2 323.96,29 v1(324.21,29.25)
Net-(D158-A): length 10.3
  Top w0.2: D158.2 303.27,58.31 EC3.S1
Net-(D159-A): length 10.1
  Top w0.2: D159.2 338.27,58.31 EC4.S1
Net-(D160-A): length 9.8
  Top w0.2: EC5.S1 373.33,58.37 D160.2
Net-(J1-Pin_11): length 28.8
  Top w0.2: 377.21,78.75 377.21,92.86 J1.11 ; 377.21,78.75 377.21,78 ; 377.21,78.75 377.46,79 v1(377.96,79) ; 377.21,78 378.71,76.5 378.71,74.5 378.21,74 LEDDEBUG1.2 ; 377.21,78 LEDDEBUG1.2
  Bottom w0.2: v1(377.96,79) 379.71,80.75 R1.2

## Copper pours and planes (outline as drawn; the poured copper is in the pictures)
GND on In1.Cu: 378.21,127.75 0,127.84 0,0 377.96,0
LEDPWR on In2.Cu: 0,130 0,0 350.23,0.1 350.21,36.75 297.86,36.76 298.21,130
